# EAGLE board makey_makey_panel_v13 (EAGLE 6.5.0), part 1 of 4
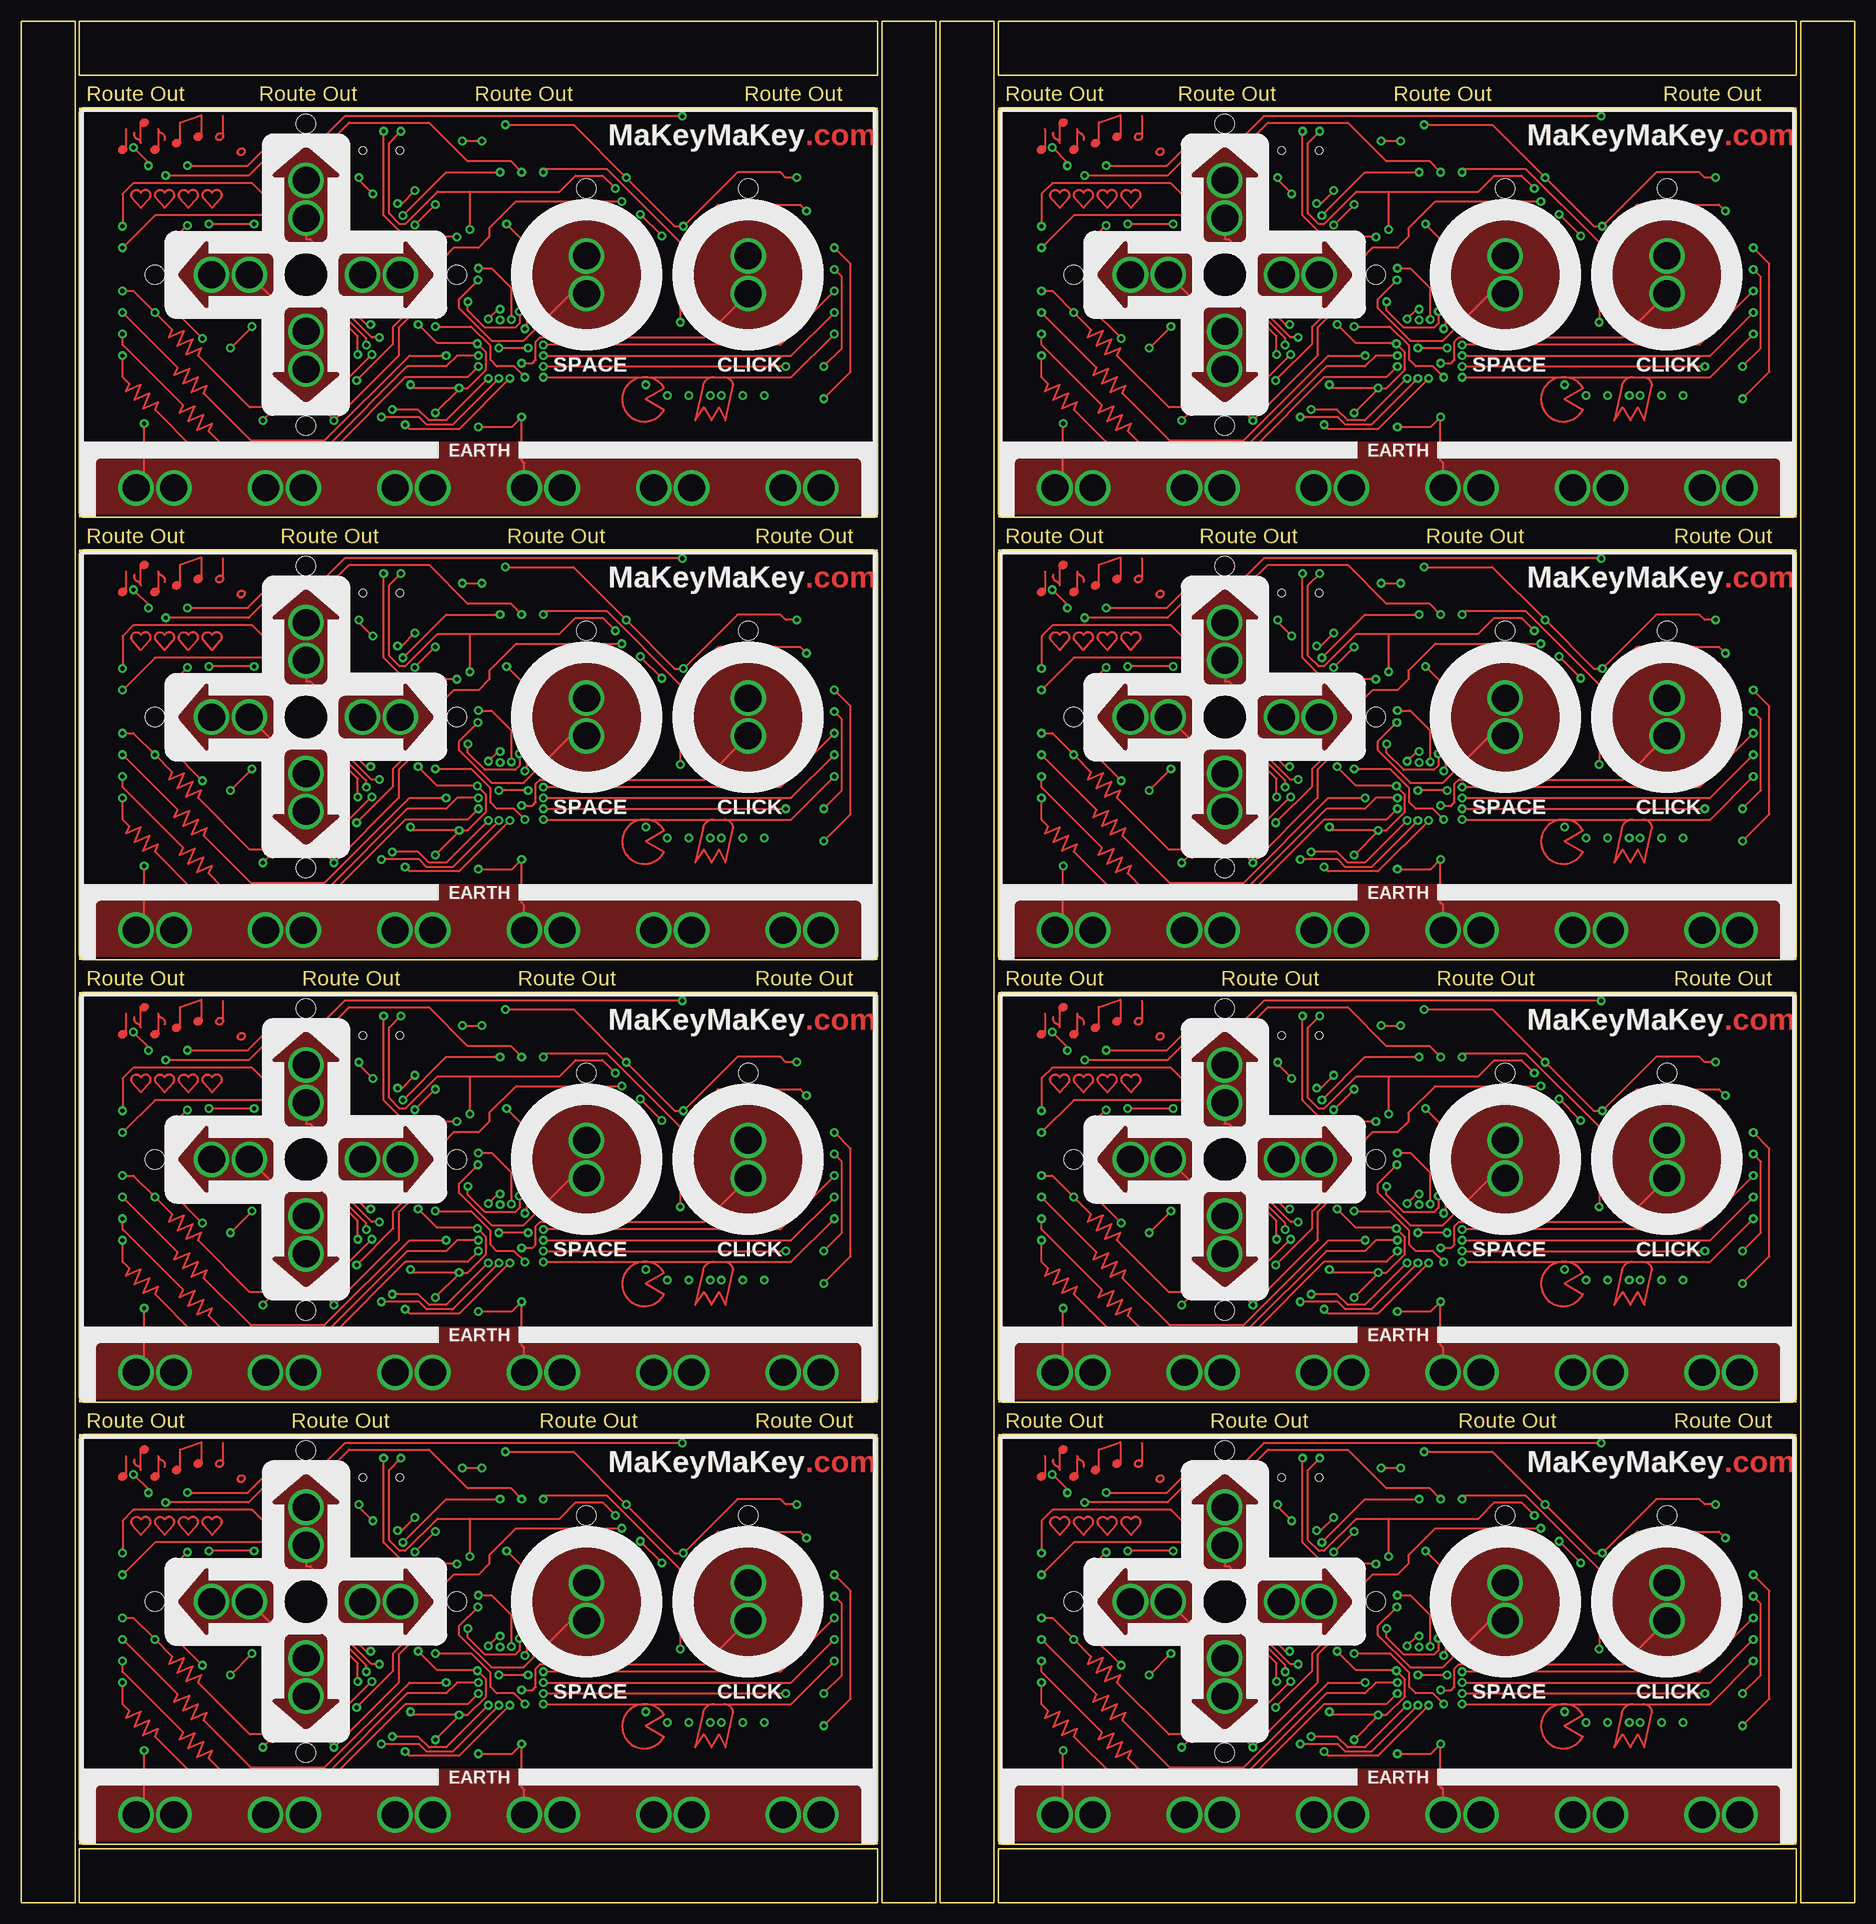
[diagram p0: board, top side]
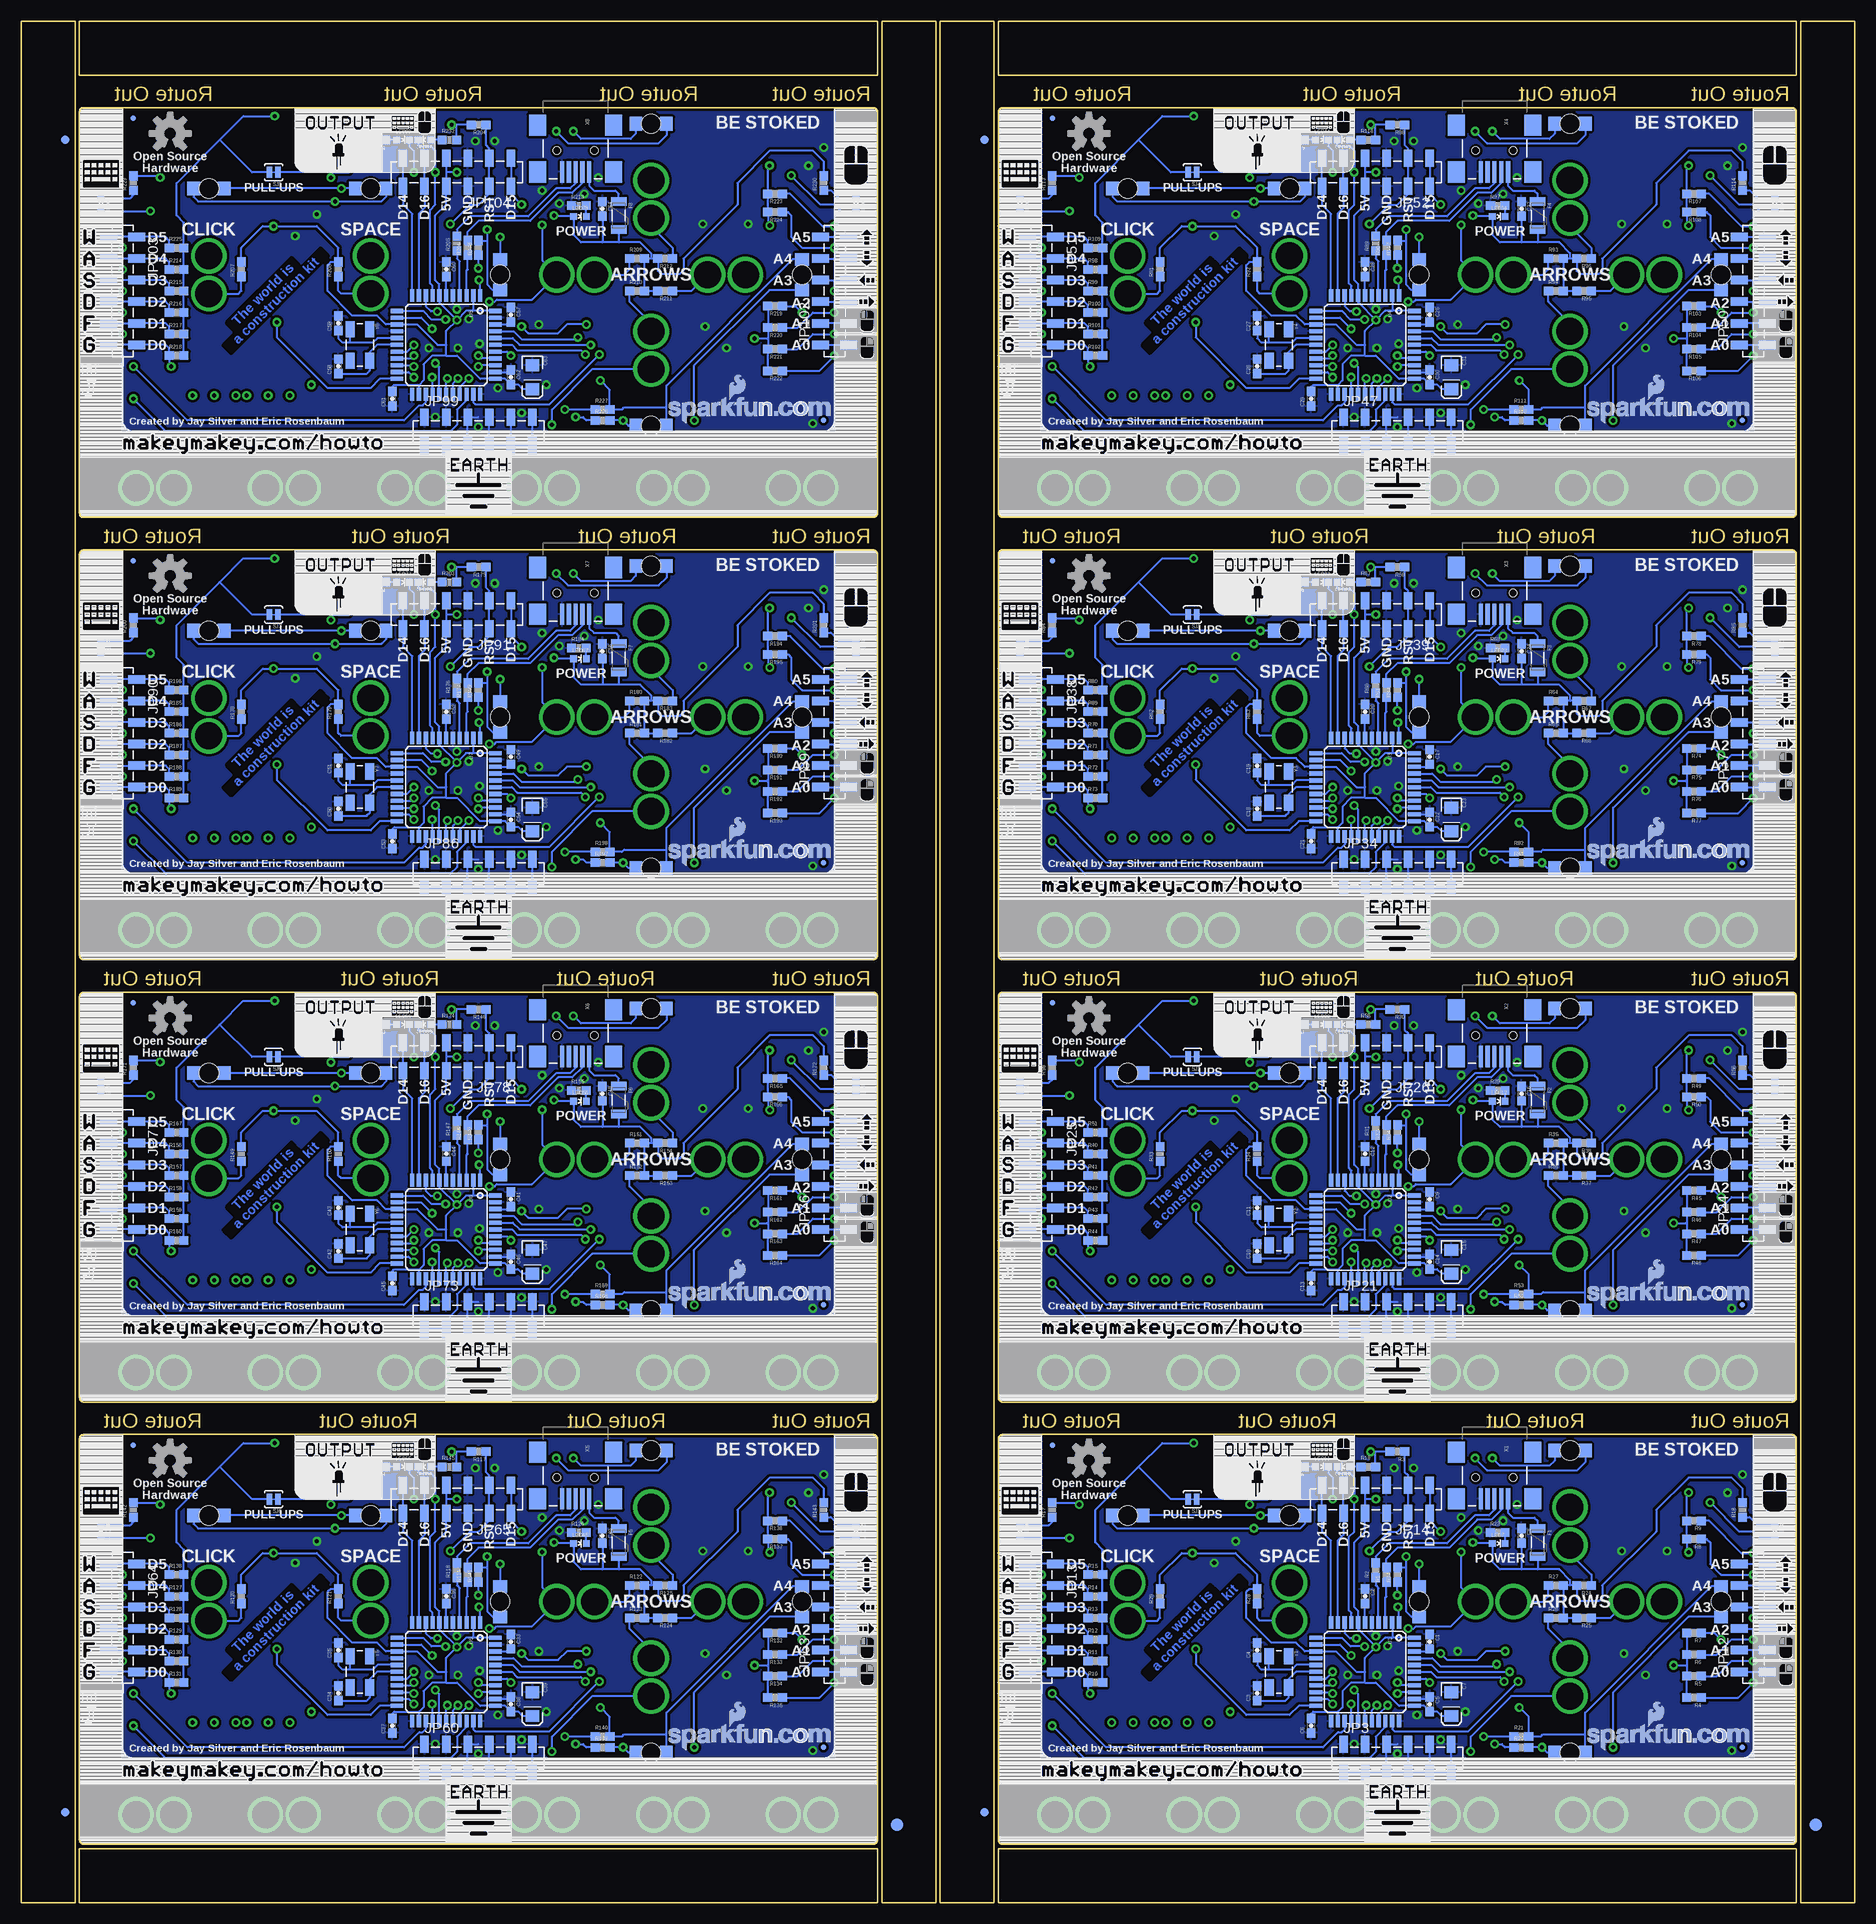
[diagram p1: board, bottom side, seen from below]

Size 215.9 x 221.49 mm. Coordinates in mm from the lower left corner, seen from the top.
Outline: 79.25,0 6.86,0 6.86,6.35 29.72,6.35
Outline: 28.45,6.35 100.84,6.35 100.84,0 77.98,0
Outline: 79.25,215.14 6.86,215.14 6.86,221.49 29.72,221.49
Outline: 28.45,221.49 100.84,221.49 100.84,215.14 77.98,215.14
Outline: 187.45,0 115.06,0 115.06,6.35 137.92,6.35
Outline: 136.65,6.35 209.04,6.35 209.04,0 186.18,0
Outline: 187.45,215.14 115.06,215.14 115.06,221.49 137.92,221.49
Outline: 136.65,221.49 209.04,221.49 209.04,215.14 186.18,215.14
Outline: 6.86,7.4 6.86,54.58 arc-90 7.4,55.12 100.3,55.12 arc-90 100.84,54.58 100.84,7.4 arc-90 100.3,6.86 7.4,6.86 arc-90 6.86,7.4
Outline: 6.86,59.47 6.86,106.65 arc-90 7.4,107.19 100.3,107.19 arc-90 100.84,106.65 100.84,59.47 arc-90 100.3,58.93 7.4,58.93 arc-90 6.86,59.47
Outline: 6.86,111.54 6.86,158.72 arc-90 7.4,159.26 100.3,159.26 arc-90 100.84,158.72 100.84,111.54 arc-90 100.3,111 7.4,111 arc-90 6.86,111.54
Outline: 6.86,163.61 6.86,210.79 arc-90 7.4,211.33 100.3,211.33 arc-90 100.84,210.79 100.84,163.61 arc-90 100.3,163.07 7.4,163.07 arc-90 6.86,163.61
Outline: 0,0 6.35,0 6.35,221.49 0,221.49 0,0
Outline: 101.35,0 107.7,0 107.7,221.49 101.35,221.49 101.35,0
Outline: 115.06,7.4 115.06,54.58 arc-90 115.6,55.12 208.5,55.12 arc-90 209.04,54.58 209.04,7.4 arc-90 208.5,6.86 115.6,6.86 arc-90 115.06,7.4
Outline: 115.06,59.47 115.06,106.65 arc-90 115.6,107.19 208.5,107.19 arc-90 209.04,106.65 209.04,59.47 arc-90 208.5,58.93 115.6,58.93 arc-90 115.06,59.47
Outline: 115.06,111.54 115.06,158.72 arc-90 115.6,159.26 208.5,159.26 arc-90 209.04,158.72 209.04,111.54 arc-90 208.5,111 115.6,111 arc-90 115.06,111.54
Outline: 115.06,163.61 115.06,210.79 arc-90 115.6,211.33 208.5,211.33 arc-90 209.04,210.79 209.04,163.61 arc-90 208.5,163.07 115.6,163.07 arc-90 115.06,163.61
Outline: 108.2,0 114.55,0 114.55,221.49 108.2,221.49 108.2,0
Outline: 209.55,0 215.9,0 215.9,221.49 209.55,221.49 209.55,0
Copper layers (1*16): Top 0.035mm / dielectric 1.5mm / Bottom 0.035mm
Design rules "default": minimum track width 8mil, minimum drill 20mil, track to track 8mil, track to pad 8mil, pad to pad 8mil, via to via 8mil, smd to smd 8mil, copper to edge 8mil, drill to drill 8mil, minimum pad ring 12mil, minimum via ring 10mil, stop-mask expansion 4mil, vias tented up to drill 20mil, thermal gap 10mil
Net classes: 0 default: width 0.203 mm
bRestrict: area 59.2,52.2 to 64,54.5; area 59.2,104.3 to 64,106.6; area 59.2,156.3 to 64,158.6; area 59.2,208.4 to 64,210.7; area 167.4,52.2 to 172.2,54.5; area 167.4,104.3 to 172.2,106.6; area 167.4,156.3 to 172.2,158.6; area 167.4,208.4 to 172.2,210.7

## Footprints (pad centres in the part's own frame; a part is rotated, then mirrored left to right if it is on the bottom)
0603-CAP = smd 1.1 x 1: 1 -0.85,0; 2 0.85,0
EIA3216 = smd 1.4 x 1.6: A 1.4,0; C -1.4,0
1X01_ALLIGATOR_3MM = drill 3.175: 1@0 0,2.223; 1@2 0,-2.223
FIDUCIAL-1.5X3 = smd 1.5 x 1.5: 1 0,0
FIDUCIAL-1X2 = smd 1 x 1: 1 0,0
PTC-1206-WIDE = smd 1 x 1.8: 1 -1.654,0; 2 1.654,0
MICRO-FIDUCIAL = smd 0.635 x 0.635: 1 0,0
1X06_SMD_STRAIGHT_COMBO = smd 1 x 2: 1 0,-1.65; 1-2 0,1.65; 2 2.54,1.65; 2-2 2.54,-1.65; 3 5.08,-1.65; 3-2 5.08,1.65; 4 7.62,1.65; 4-2 7.62,-1.65; 5 10.16,-1.65; 5-2 10.16,1.65; 6 12.7,1.65; 6-2 12.7,-1.65
LED-1206-BOTTOM = smd 1.5 x 1.6: A -1.8,0; C 1.8,0 | hole 2.3: 0,0
LED-0603 = smd 0.8 x 0.8: A 0,-0.75; C 0,0.75
0603-RES = smd 1.1 x 1: 1 -0.85,0; 2 0.85,0
SJ_2S-TRACE = smd 0.635 x 1.27: 1 -0.508,0; 2 0.508,0
TQFP44 = smd 1.5 x 0.5: 1 -5.8,4; 2 -5.8,3.2; 3 -5.8,2.4; 4 -5.8,1.6; 5 -5.8,0.8; 6 -5.8,0; 7 -5.8,-0.8; 8 -5.8,-1.6; 9 -5.8,-2.4; 10 -5.8,-3.2; 11 -5.8,-4; 23 5.8,-4; 24 5.8,-3.2; 25 5.8,-2.4; 26 5.8,-1.6; 27 5.8,-0.8; 28 5.8,0; 29 5.8,0.8; 30 5.8,1.6; 31 5.8,2.4; 32 5.8,3.2; 33 5.8,4 | smd 0.5 x 1.5: 12 -4,-5.8; 13 -3.2,-5.8; 14 -2.4,-5.8; 15 -1.6,-5.8; 16 -0.8,-5.8; 17 0,-5.8; 18 0.8,-5.8; 19 1.6,-5.8; 20 2.4,-5.8; 21 3.2,-5.8; 22 4,-5.8; 34 4,5.8; 35 3.2,5.8; 36 2.4,5.8; 37 1.6,5.8; 38 0.8,5.8; 39 0,5.8; 40 -0.8,5.8; 41 -1.6,5.8; 42 -2.4,5.8; 43 -3.2,5.8; 44 -4,5.8
USB-MINIB = smd 2.5 x 0.5: D+ 2.5,0; D- 2.5,0.8; GND 2.5,-1.6; ID 2.5,-0.8; VBUS 2.5,1.6 | smd 2.5 x 2: MTN1 -3,4.5; MTN2 2.5,4.5; MTN3 -3,-4.5; MTN4 2.5,-4.5 | hole 0.9: 0,2.2; 0,-2.2
CRYSTAL-SMD-5X3 = smd 1.9 x 1.1: 1 -1.85,-1.15; 2 1.85,-1.15; 3 1.85,1.15; 4 -1.85,1.15

## Placement (x,y rotation side)
C1  0.1uF  [0603-CAP]  50.04,30.73 270 bottom
C2  1uF  [0603-CAP]  57.66,36.07 270 bottom
C3  22pF  [0603-CAP]  70.36,24.64 90 bottom
C4  22pF  [0603-CAP]  70.36,29.72 90 bottom
C5  0.1uF  [0603-CAP]  50.04,23.37 270 bottom
C6  1uF  [0603-CAP]  64.01,20.83 90 bottom
C7  10uF  [EIA3216]  47.5,23.37 270 bottom
C8  0.1uF  [0603-CAP]  39.24,43.18 270 bottom
C9  0.1uF  [0603-CAP]  50.04,82.8 270 bottom
C10  22pF  [0603-CAP]  70.36,76.71 90 bottom
C11  22pF  [0603-CAP]  70.36,81.79 90 bottom
C12  1uF  [0603-CAP]  57.66,88.14 270 bottom
C13  1uF  [0603-CAP]  64.01,72.9 90 bottom
C14  0.1uF  [0603-CAP]  50.04,75.44 270 bottom
C15  10uF  [EIA3216]  47.5,75.44 270 bottom
C16  0.1uF  [0603-CAP]  39.24,95.25 270 bottom
C17  0.1uF  [0603-CAP]  50.04,134.87 270 bottom
C18  22pF  [0603-CAP]  70.36,128.78 90 bottom
C19  22pF  [0603-CAP]  70.36,133.86 90 bottom
C20  1uF  [0603-CAP]  57.66,140.21 270 bottom
C21  1uF  [0603-CAP]  64.01,124.97 90 bottom
C22  0.1uF  [0603-CAP]  50.04,127.51 270 bottom
C23  10uF  [EIA3216]  47.5,127.51 270 bottom
C24  0.1uF  [0603-CAP]  39.24,147.32 270 bottom
C25  0.1uF  [0603-CAP]  50.04,186.94 270 bottom
C26  22pF  [0603-CAP]  70.36,180.85 90 bottom
C27  22pF  [0603-CAP]  70.36,185.93 90 bottom
C28  1uF  [0603-CAP]  57.66,192.28 270 bottom
C29  1uF  [0603-CAP]  64.01,177.04 90 bottom
C30  0.1uF  [0603-CAP]  50.04,179.58 270 bottom
C31  10uF  [EIA3216]  47.5,179.58 270 bottom
C32  0.1uF  [0603-CAP]  39.24,199.39 270 bottom
C33  0.1uF  [0603-CAP]  158.24,30.73 270 bottom
C34  22pF  [0603-CAP]  178.56,24.64 90 bottom
C35  22pF  [0603-CAP]  178.56,29.72 90 bottom
C36  1uF  [0603-CAP]  165.86,36.07 270 bottom
C37  1uF  [0603-CAP]  172.21,20.83 90 bottom
C38  0.1uF  [0603-CAP]  158.24,23.37 270 bottom
C39  10uF  [EIA3216]  155.7,23.37 270 bottom
C40  0.1uF  [0603-CAP]  147.45,43.18 270 bottom
C41  0.1uF  [0603-CAP]  158.24,82.8 270 bottom
C42  22pF  [0603-CAP]  178.56,76.71 90 bottom
C43  22pF  [0603-CAP]  178.56,81.79 90 bottom
C44  1uF  [0603-CAP]  165.86,88.14 270 bottom
C45  1uF  [0603-CAP]  172.21,72.9 90 bottom
C46  0.1uF  [0603-CAP]  158.24,75.44 270 bottom
C47  10uF  [EIA3216]  155.7,75.44 270 bottom
C48  0.1uF  [0603-CAP]  147.45,95.25 270 bottom
C49  0.1uF  [0603-CAP]  158.24,134.87 270 bottom
C50  22pF  [0603-CAP]  178.56,128.78 90 bottom
C51  22pF  [0603-CAP]  178.56,133.86 90 bottom
C52  1uF  [0603-CAP]  165.86,140.21 270 bottom
C53  1uF  [0603-CAP]  172.21,124.97 90 bottom
C54  0.1uF  [0603-CAP]  158.24,127.51 270 bottom
C55  10uF  [EIA3216]  155.7,127.51 270 bottom
C56  0.1uF  [0603-CAP]  147.45,147.32 270 bottom
C57  0.1uF  [0603-CAP]  158.24,186.94 270 bottom
C58  22pF  [0603-CAP]  178.56,180.85 90 bottom
C59  22pF  [0603-CAP]  178.56,185.93 90 bottom
C60  1uF  [0603-CAP]  165.86,192.28 270 bottom
C61  1uF  [0603-CAP]  172.21,177.04 90 bottom
C62  0.1uF  [0603-CAP]  158.24,179.58 270 bottom
C63  10uF  [EIA3216]  155.7,179.58 270 bottom
C64  0.1uF  [0603-CAP]  147.45,199.39 270 bottom
CLICK  [1X01_ALLIGATOR_3MM]  85.6,35.43 180 bottom
CLICK1  [1X01_ALLIGATOR_3MM]  85.6,87.5 180 bottom
CLICK2  [1X01_ALLIGATOR_3MM]  85.6,139.57 180 bottom
CLICK3  [1X01_ALLIGATOR_3MM]  85.6,191.64 180 bottom
CLICK4  [1X01_ALLIGATOR_3MM]  193.8,35.43 180 bottom
CLICK5  [1X01_ALLIGATOR_3MM]  193.8,87.5 180 bottom
CLICK6  [1X01_ALLIGATOR_3MM]  193.8,139.57 180 bottom
CLICK7  [1X01_ALLIGATOR_3MM]  193.8,191.64 180 bottom
DOWN  [1X01_ALLIGATOR_3MM]  33.53,26.54 0 top
DOWN1  [1X01_ALLIGATOR_3MM]  33.53,78.61 0 top
DOWN2  [1X01_ALLIGATOR_3MM]  33.53,130.68 0 top
DOWN3  [1X01_ALLIGATOR_3MM]  33.53,182.75 0 top
DOWN4  [1X01_ALLIGATOR_3MM]  141.73,26.54 0 top
DOWN5  [1X01_ALLIGATOR_3MM]  141.73,78.61 0 top
DOWN6  [1X01_ALLIGATOR_3MM]  141.73,130.68 0 top
DOWN7  [1X01_ALLIGATOR_3MM]  141.73,182.75 0 top
E$1  [FIDUCIAL-1.5X3]  4.57,9.14 0 bottom
E$2  [FIDUCIAL-1X2]  210.69,10.67 0 bottom
E$3  [FIDUCIAL-1X2]  210.69,207.52 180 bottom
E$4  [FIDUCIAL-1X2]  102.49,10.67 0 bottom
E$5  [FIDUCIAL-1X2]  102.49,207.52 180 bottom
E$6  [FIDUCIAL-1.5X3]  112.78,9.14 0 bottom
F1  500mA  [PTC-1206-WIDE]  37.34,42.42 270 bottom
F2  500mA  [PTC-1206-WIDE]  37.34,94.49 270 bottom
F3  500mA  [PTC-1206-WIDE]  37.34,146.56 270 bottom
F4  500mA  [PTC-1206-WIDE]  37.34,198.63 270 bottom
F5  500mA  [PTC-1206-WIDE]  145.54,42.42 270 bottom
F6  500mA  [PTC-1206-WIDE]  145.54,94.49 270 bottom
F7  500mA  [PTC-1206-WIDE]  145.54,146.56 270 bottom
F8  500mA  [PTC-1206-WIDE]  145.54,198.63 270 bottom
JP1  FIDUCIALUFIDUCIAL  [MICRO-FIDUCIAL]  94.49,53.85 0 bottom
JP2  FIDUCIALUFIDUCIAL  [MICRO-FIDUCIAL]  13.21,18.29 0 bottom
JP3  [1X06_SMD_STRAIGHT_COMBO]  60.2,17.02 0 bottom
JP4  LOGO-SFENEW  [SFE-NEW-WEBLOGO]  31.5,69.98 0 bottom
JP5  [1X01_ALLIGATOR_3MM]  91.95,10.35 90 top
JP6  [1X01_ALLIGATOR_3MM]  76.71,10.35 90 top
JP7  [1X01_ALLIGATOR_3MM]  61.47,10.35 90 top
JP8  [1X01_ALLIGATOR_3MM]  46.23,10.35 90 top
JP9  LOGO-SFENEW  [SFE-NEW-WEBLOGO]  31.5,17.91 0 bottom
JP10  [1X01_ALLIGATOR_3MM]  30.99,10.35 90 top
JP11  [1X01_ALLIGATOR_3MM]  15.75,10.35 90 top
JP12  [1X06_SMD_STRAIGHT_COMBO]  11.94,27.18 90 bottom
JP13  [1X06_SMD_STRAIGHT_COMBO]  95.76,39.88 270 bottom
JP14  [1X06_SMD_STRAIGHT_COMBO]  50.04,47.5 180 bottom
JP15  [1X01_ALLIGATOR_3MM]  15.75,62.42 90 top
JP16  [1X01_ALLIGATOR_3MM]  30.99,62.42 90 top
JP17  [1X01_ALLIGATOR_3MM]  46.23,62.42 90 top
JP18  [1X01_ALLIGATOR_3MM]  61.47,62.42 90 top
JP19  [1X01_ALLIGATOR_3MM]  76.71,62.42 90 top
JP20  [1X01_ALLIGATOR_3MM]  91.95,62.42 90 top
JP21  [1X06_SMD_STRAIGHT_COMBO]  60.2,69.09 0 bottom
JP22  FIDUCIALUFIDUCIAL  [MICRO-FIDUCIAL]  94.49,105.92 0 bottom
JP23  FIDUCIALUFIDUCIAL  [MICRO-FIDUCIAL]  13.21,70.36 0 bottom
JP24  [1X06_SMD_STRAIGHT_COMBO]  11.94,79.25 90 bottom
JP25  [1X06_SMD_STRAIGHT_COMBO]  95.76,91.95 270 bottom
JP26  [1X06_SMD_STRAIGHT_COMBO]  50.04,99.57 180 bottom
JP27  LOGO-SFENEW  [SFE-NEW-WEBLOGO]  31.5,122.05 0 bottom
JP28  [1X01_ALLIGATOR_3MM]  15.75,114.49 90 top
JP29  [1X01_ALLIGATOR_3MM]  30.99,114.49 90 top
JP30  [1X01_ALLIGATOR_3MM]  46.23,114.49 90 top
JP31  [1X01_ALLIGATOR_3MM]  61.47,114.49 90 top
JP32  [1X01_ALLIGATOR_3MM]  76.71,114.49 90 top
JP33  [1X01_ALLIGATOR_3MM]  91.95,114.49 90 top
JP34  [1X06_SMD_STRAIGHT_COMBO]  60.2,121.16 0 bottom
JP35  FIDUCIALUFIDUCIAL  [MICRO-FIDUCIAL]  94.49,157.99 0 bottom
JP36  FIDUCIALUFIDUCIAL  [MICRO-FIDUCIAL]  13.21,122.43 0 bottom
JP37  [1X06_SMD_STRAIGHT_COMBO]  11.94,131.32 90 bottom
JP38  [1X06_SMD_STRAIGHT_COMBO]  95.76,144.02 270 bottom
JP39  [1X06_SMD_STRAIGHT_COMBO]  50.04,151.64 180 bottom
JP40  LOGO-SFENEW  [SFE-NEW-WEBLOGO]  31.5,174.12 0 bottom
JP41  [1X01_ALLIGATOR_3MM]  15.75,166.56 90 top
JP42  [1X01_ALLIGATOR_3MM]  30.99,166.56 90 top
JP43  [1X01_ALLIGATOR_3MM]  46.23,166.56 90 top
JP44  [1X01_ALLIGATOR_3MM]  61.47,166.56 90 top
JP45  [1X01_ALLIGATOR_3MM]  76.71,166.56 90 top
JP46  [1X01_ALLIGATOR_3MM]  91.95,166.56 90 top
JP47  [1X06_SMD_STRAIGHT_COMBO]  60.2,173.23 0 bottom
JP48  FIDUCIALUFIDUCIAL  [MICRO-FIDUCIAL]  94.49,210.06 0 bottom
JP49  FIDUCIALUFIDUCIAL  [MICRO-FIDUCIAL]  13.21,174.5 0 bottom
JP50  [1X06_SMD_STRAIGHT_COMBO]  11.94,183.39 90 bottom
JP51  [1X06_SMD_STRAIGHT_COMBO]  95.76,196.09 270 bottom
JP52  [1X06_SMD_STRAIGHT_COMBO]  50.04,203.71 180 bottom
JP53  LOGO-SFENEW  [SFE-NEW-WEBLOGO]  139.7,17.91 0 bottom
JP54  [1X01_ALLIGATOR_3MM]  123.95,10.35 90 top
JP55  [1X01_ALLIGATOR_3MM]  139.19,10.35 90 top
JP56  [1X01_ALLIGATOR_3MM]  154.43,10.35 90 top
JP57  [1X01_ALLIGATOR_3MM]  169.67,10.35 90 top
JP58  [1X01_ALLIGATOR_3MM]  184.91,10.35 90 top
JP59  [1X01_ALLIGATOR_3MM]  200.15,10.35 90 top
JP60  [1X06_SMD_STRAIGHT_COMBO]  168.4,17.02 0 bottom
JP61  FIDUCIALUFIDUCIAL  [MICRO-FIDUCIAL]  202.69,53.85 0 bottom
JP62  FIDUCIALUFIDUCIAL  [MICRO-FIDUCIAL]  121.41,18.29 0 bottom
JP63  [1X06_SMD_STRAIGHT_COMBO]  120.14,27.18 90 bottom
JP64  [1X06_SMD_STRAIGHT_COMBO]  203.96,39.88 270 bottom
JP65  [1X06_SMD_STRAIGHT_COMBO]  158.24,47.5 180 bottom
JP66  LOGO-SFENEW  [SFE-NEW-WEBLOGO]  139.7,69.98 0 bottom
JP67  [1X01_ALLIGATOR_3MM]  123.95,62.42 90 top
JP68  [1X01_ALLIGATOR_3MM]  139.19,62.42 90 top
JP69  [1X01_ALLIGATOR_3MM]  154.43,62.42 90 top
JP70  [1X01_ALLIGATOR_3MM]  169.67,62.42 90 top
JP71  [1X01_ALLIGATOR_3MM]  184.91,62.42 90 top
JP72  [1X01_ALLIGATOR_3MM]  200.15,62.42 90 top
JP73  [1X06_SMD_STRAIGHT_COMBO]  168.4,69.09 0 bottom
JP74  FIDUCIALUFIDUCIAL  [MICRO-FIDUCIAL]  202.69,105.92 0 bottom
JP75  FIDUCIALUFIDUCIAL  [MICRO-FIDUCIAL]  121.41,70.36 0 bottom
JP76  [1X06_SMD_STRAIGHT_COMBO]  120.14,79.25 90 bottom
JP77  [1X06_SMD_STRAIGHT_COMBO]  203.96,91.95 270 bottom
JP78  [1X06_SMD_STRAIGHT_COMBO]  158.24,99.57 180 bottom
JP79  LOGO-SFENEW  [SFE-NEW-WEBLOGO]  139.7,122.05 0 bottom
JP80  [1X01_ALLIGATOR_3MM]  123.95,114.49 90 top
JP81  [1X01_ALLIGATOR_3MM]  139.19,114.49 90 top
JP82  [1X01_ALLIGATOR_3MM]  154.43,114.49 90 top
JP83  [1X01_ALLIGATOR_3MM]  169.67,114.49 90 top
JP84  [1X01_ALLIGATOR_3MM]  184.91,114.49 90 top
JP85  [1X01_ALLIGATOR_3MM]  200.15,114.49 90 top
JP86  [1X06_SMD_STRAIGHT_COMBO]  168.4,121.16 0 bottom
JP87  FIDUCIALUFIDUCIAL  [MICRO-FIDUCIAL]  202.69,157.99 0 bottom
JP88  FIDUCIALUFIDUCIAL  [MICRO-FIDUCIAL]  121.41,122.43 0 bottom
JP89  [1X06_SMD_STRAIGHT_COMBO]  120.14,131.32 90 bottom
JP90  [1X06_SMD_STRAIGHT_COMBO]  203.96,144.02 270 bottom
JP91  [1X06_SMD_STRAIGHT_COMBO]  158.24,151.64 180 bottom
JP92  LOGO-SFENEW  [SFE-NEW-WEBLOGO]  139.7,174.12 0 bottom
JP93  [1X01_ALLIGATOR_3MM]  123.95,166.56 90 top
JP94  [1X01_ALLIGATOR_3MM]  139.19,166.56 90 top
JP95  [1X01_ALLIGATOR_3MM]  154.43,166.56 90 top
JP96  [1X01_ALLIGATOR_3MM]  169.67,166.56 90 top
JP97  [1X01_ALLIGATOR_3MM]  184.91,166.56 90 top
JP98  [1X01_ALLIGATOR_3MM]  200.15,166.56 90 top
JP99  [1X06_SMD_STRAIGHT_COMBO]  168.4,173.23 0 bottom
JP100  FIDUCIALUFIDUCIAL  [MICRO-FIDUCIAL]  202.69,210.06 0 bottom
JP101  FIDUCIALUFIDUCIAL  [MICRO-FIDUCIAL]  121.41,174.5 0 bottom
JP102  [1X06_SMD_STRAIGHT_COMBO]  120.14,183.39 90 bottom
JP103  [1X06_SMD_STRAIGHT_COMBO]  203.96,196.09 270 bottom
JP104  [1X06_SMD_STRAIGHT_COMBO]  158.24,203.71 180 bottom
LED1  GREEN  [LED-1206-BOTTOM]  33.53,17.65 0 bottom
LED2  GREEN  [LED-1206-BOTTOM]  15.75,35.43 270 bottom
LED3  GREEN  [LED-1206-BOTTOM]  85.6,45.59 0 bottom
LED4  GREEN  [LED-1206-BOTTOM]  66.55,45.59 0 bottom
LED5  GREEN  [LED-1206-BOTTOM]  33.53,53.21 0 bottom
LED6  GREEN  [LED-1206-BOTTOM]  51.31,35.43 90 bottom
LED7  RED  [LED-0603]  41.91,42.29 270 bottom
LED8  GREEN  [LED-0603]  9.4,43.69 180 bottom
LED9  GREEN  [LED-0603]  98.3,43.69 180 bottom
LED10  RED  [LED-0603]  60.2,51.31 90 bottom
LED11  RED  [LED-0603]  62.74,51.31 270 bottom
LED12  RED  [LED-0603]  41.91,94.36 270 bottom
LED13  GREEN  [LED-1206-BOTTOM]  85.6,97.66 0 bottom
LED14  GREEN  [LED-1206-BOTTOM]  66.55,97.66 0 bottom
LED15  GREEN  [LED-1206-BOTTOM]  51.31,87.5 90 bottom
LED16  GREEN  [LED-1206-BOTTOM]  33.53,105.28 0 bottom
LED17  GREEN  [LED-1206-BOTTOM]  15.75,87.5 270 bottom
LED18  GREEN  [LED-1206-BOTTOM]  33.53,69.72 0 bottom
LED19  GREEN  [LED-0603]  9.4,95.76 180 bottom
LED20  GREEN  [LED-0603]  98.3,95.76 180 bottom
LED21  RED  [LED-0603]  60.2,103.38 90 bottom
LED22  RED  [LED-0603]  62.74,103.38 270 bottom
LED23  RED  [LED-0603]  41.91,146.43 270 bottom
LED24  GREEN  [LED-1206-BOTTOM]  85.6,149.73 0 bottom
LED25  GREEN  [LED-1206-BOTTOM]  66.55,149.73 0 bottom
LED26  GREEN  [LED-1206-BOTTOM]  51.31,139.57 90 bottom
LED27  GREEN  [LED-1206-BOTTOM]  33.53,157.35 0 bottom
LED28  GREEN  [LED-1206-BOTTOM]  15.75,139.57 270 bottom
LED29  GREEN  [LED-1206-BOTTOM]  33.53,121.79 0 bottom
LED30  GREEN  [LED-0603]  9.4,147.83 180 bottom
LED31  GREEN  [LED-0603]  98.3,147.83 180 bottom
LED32  RED  [LED-0603]  60.2,155.45 90 bottom
LED33  RED  [LED-0603]  62.74,155.45 270 bottom
LED34  RED  [LED-0603]  41.91,198.5 270 bottom
LED35  GREEN  [LED-1206-BOTTOM]  85.6,201.8 0 bottom
LED36  GREEN  [LED-1206-BOTTOM]  66.55,201.8 0 bottom
LED37  GREEN  [LED-1206-BOTTOM]  51.31,191.64 90 bottom
LED38  GREEN  [LED-1206-BOTTOM]  33.53,209.42 0 bottom
LED39  GREEN  [LED-1206-BOTTOM]  15.75,191.64 270 bottom
LED40  GREEN  [LED-1206-BOTTOM]  33.53,173.86 0 bottom
LED41  GREEN  [LED-0603]  9.4,199.9 180 bottom
LED42  GREEN  [LED-0603]  98.3,199.9 180 bottom
LED43  RED  [LED-0603]  60.2,207.52 90 bottom
LED44  RED  [LED-0603]  62.74,207.52 270 bottom
LED45  RED  [LED-0603]  150.11,42.29 270 bottom
LED46  GREEN  [LED-1206-BOTTOM]  193.8,45.59 0 bottom
LED47  GREEN  [LED-1206-BOTTOM]  174.75,45.59 0 bottom
LED48  GREEN  [LED-1206-BOTTOM]  159.51,35.43 90 bottom
LED49  GREEN  [LED-1206-BOTTOM]  141.73,53.21 0 bottom
LED50  GREEN  [LED-1206-BOTTOM]  123.95,35.43 270 bottom
LED51  GREEN  [LED-1206-BOTTOM]  141.73,17.65 0 bottom
LED52  GREEN  [LED-0603]  117.6,43.69 180 bottom
LED53  GREEN  [LED-0603]  206.5,43.69 180 bottom
LED54  RED  [LED-0603]  168.4,51.31 90 bottom
LED55  RED  [LED-0603]  170.94,51.31 270 bottom
LED56  RED  [LED-0603]  150.11,94.36 270 bottom
LED57  GREEN  [LED-1206-BOTTOM]  193.8,97.66 0 bottom
LED58  GREEN  [LED-1206-BOTTOM]  174.75,97.66 0 bottom
LED59  GREEN  [LED-1206-BOTTOM]  159.51,87.5 90 bottom
LED60  GREEN  [LED-1206-BOTTOM]  141.73,105.28 0 bottom
LED61  GREEN  [LED-1206-BOTTOM]  123.95,87.5 270 bottom
LED62  GREEN  [LED-1206-BOTTOM]  141.73,69.72 0 bottom
LED63  GREEN  [LED-0603]  117.6,95.76 180 bottom
LED64  GREEN  [LED-0603]  206.5,95.76 180 bottom
LED65  RED  [LED-0603]  168.4,103.38 90 bottom
LED66  RED  [LED-0603]  170.94,103.38 270 bottom
LED67  RED  [LED-0603]  150.11,146.43 270 bottom
LED68  GREEN  [LED-1206-BOTTOM]  193.8,149.73 0 bottom
LED69  GREEN  [LED-1206-BOTTOM]  174.75,149.73 0 bottom
LED70  GREEN  [LED-1206-BOTTOM]  159.51,139.57 90 bottom
LED71  GREEN  [LED-1206-BOTTOM]  141.73,157.35 0 bottom
LED72  GREEN  [LED-1206-BOTTOM]  123.95,139.57 270 bottom
LED73  GREEN  [LED-1206-BOTTOM]  141.73,121.79 0 bottom
LED74  GREEN  [LED-0603]  117.6,147.83 180 bottom
LED75  GREEN  [LED-0603]  206.5,147.83 180 bottom
LED76  RED  [LED-0603]  168.4,155.45 90 bottom
LED77  RED  [LED-0603]  170.94,155.45 270 bottom
LED78  RED  [LED-0603]  150.11,198.5 270 bottom
LED79  GREEN  [LED-1206-BOTTOM]  193.8,201.8 0 bottom
LED80  GREEN  [LED-1206-BOTTOM]  174.75,201.8 0 bottom
LED81  GREEN  [LED-1206-BOTTOM]  159.51,191.64 90 bottom
LED82  GREEN  [LED-1206-BOTTOM]  141.73,209.42 0 bottom
LED83  GREEN  [LED-1206-BOTTOM]  123.95,191.64 270 bottom
LED84  GREEN  [LED-1206-BOTTOM]  141.73,173.86 0 bottom
LED85  GREEN  [LED-0603]  117.6,199.9 180 bottom
LED86  GREEN  [LED-0603]  206.5,199.9 180 bottom
LED87  RED  [LED-0603]  168.4,207.52 90 bottom
LED88  RED  [LED-0603]  170.94,207.52 270 bottom